# KiCad board gnss_card_rev1.kicad_pcb
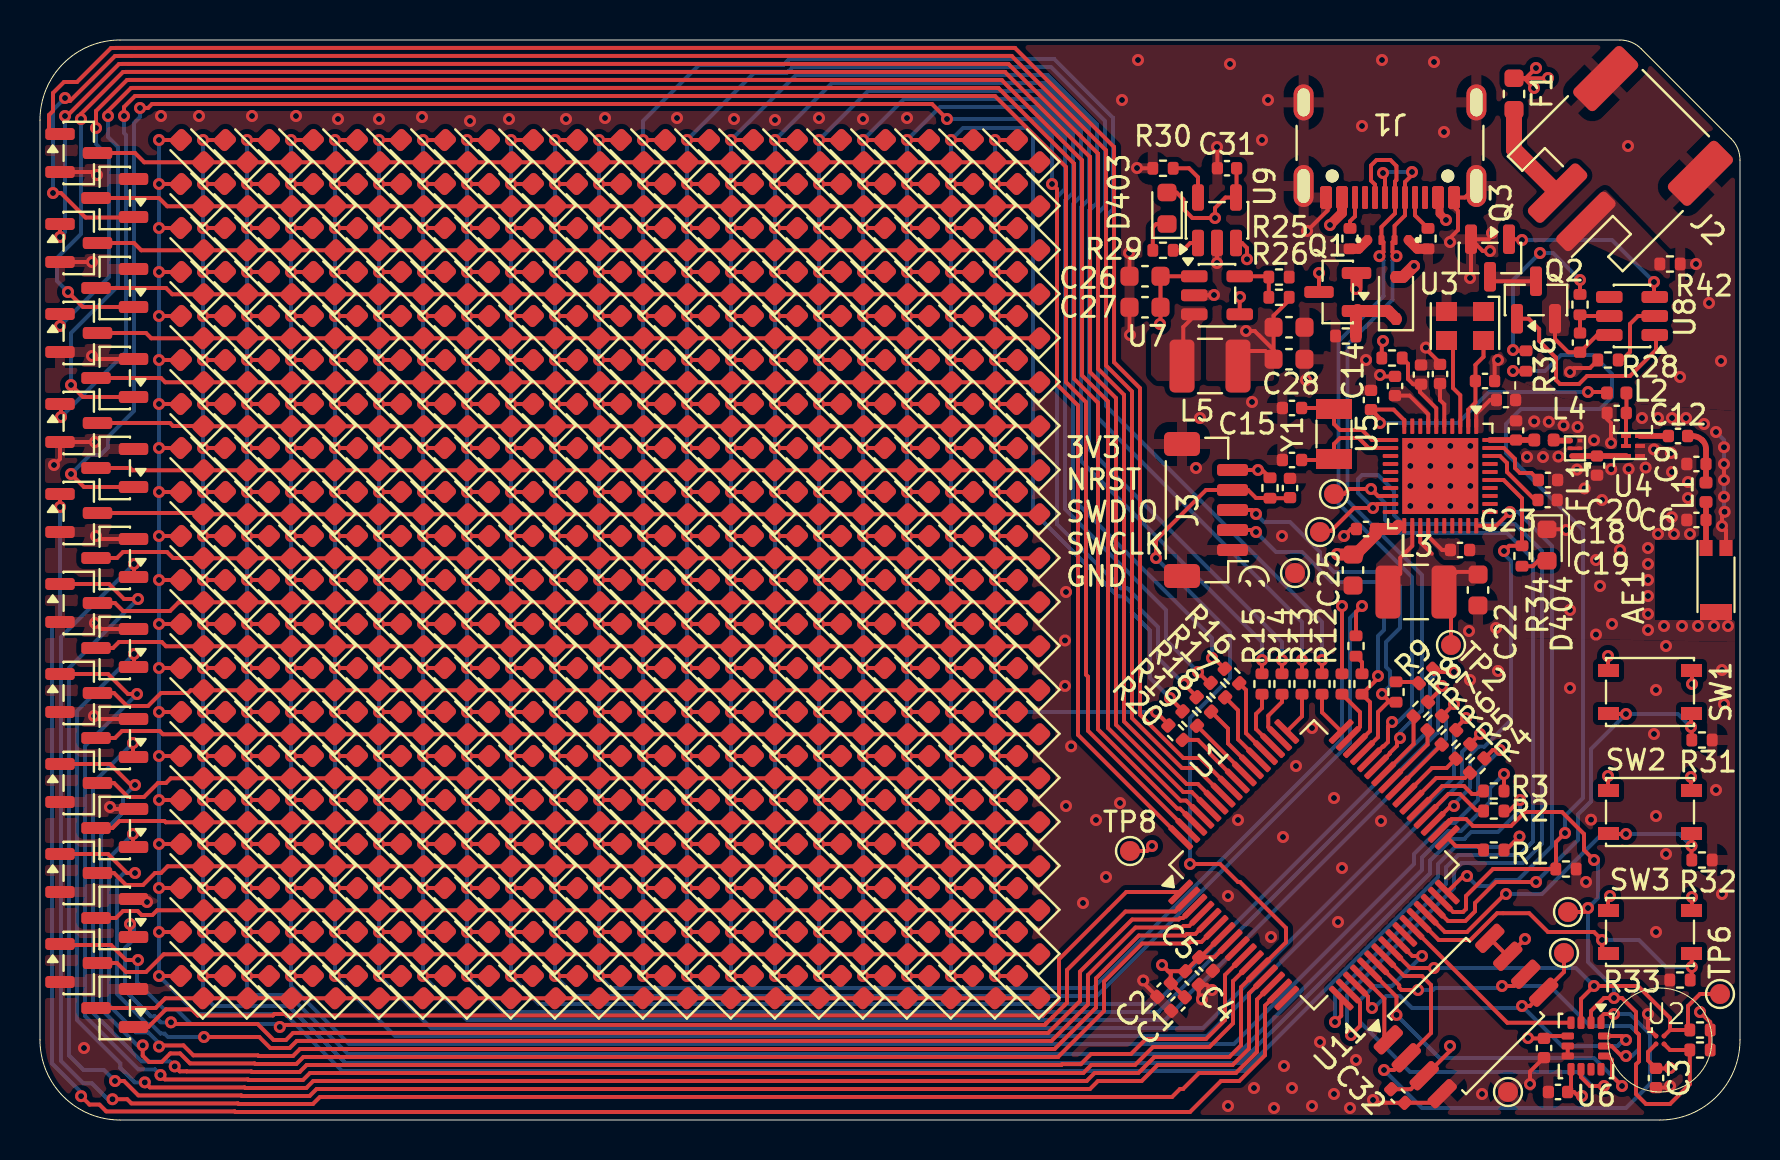
[diagram p0: board, top side]
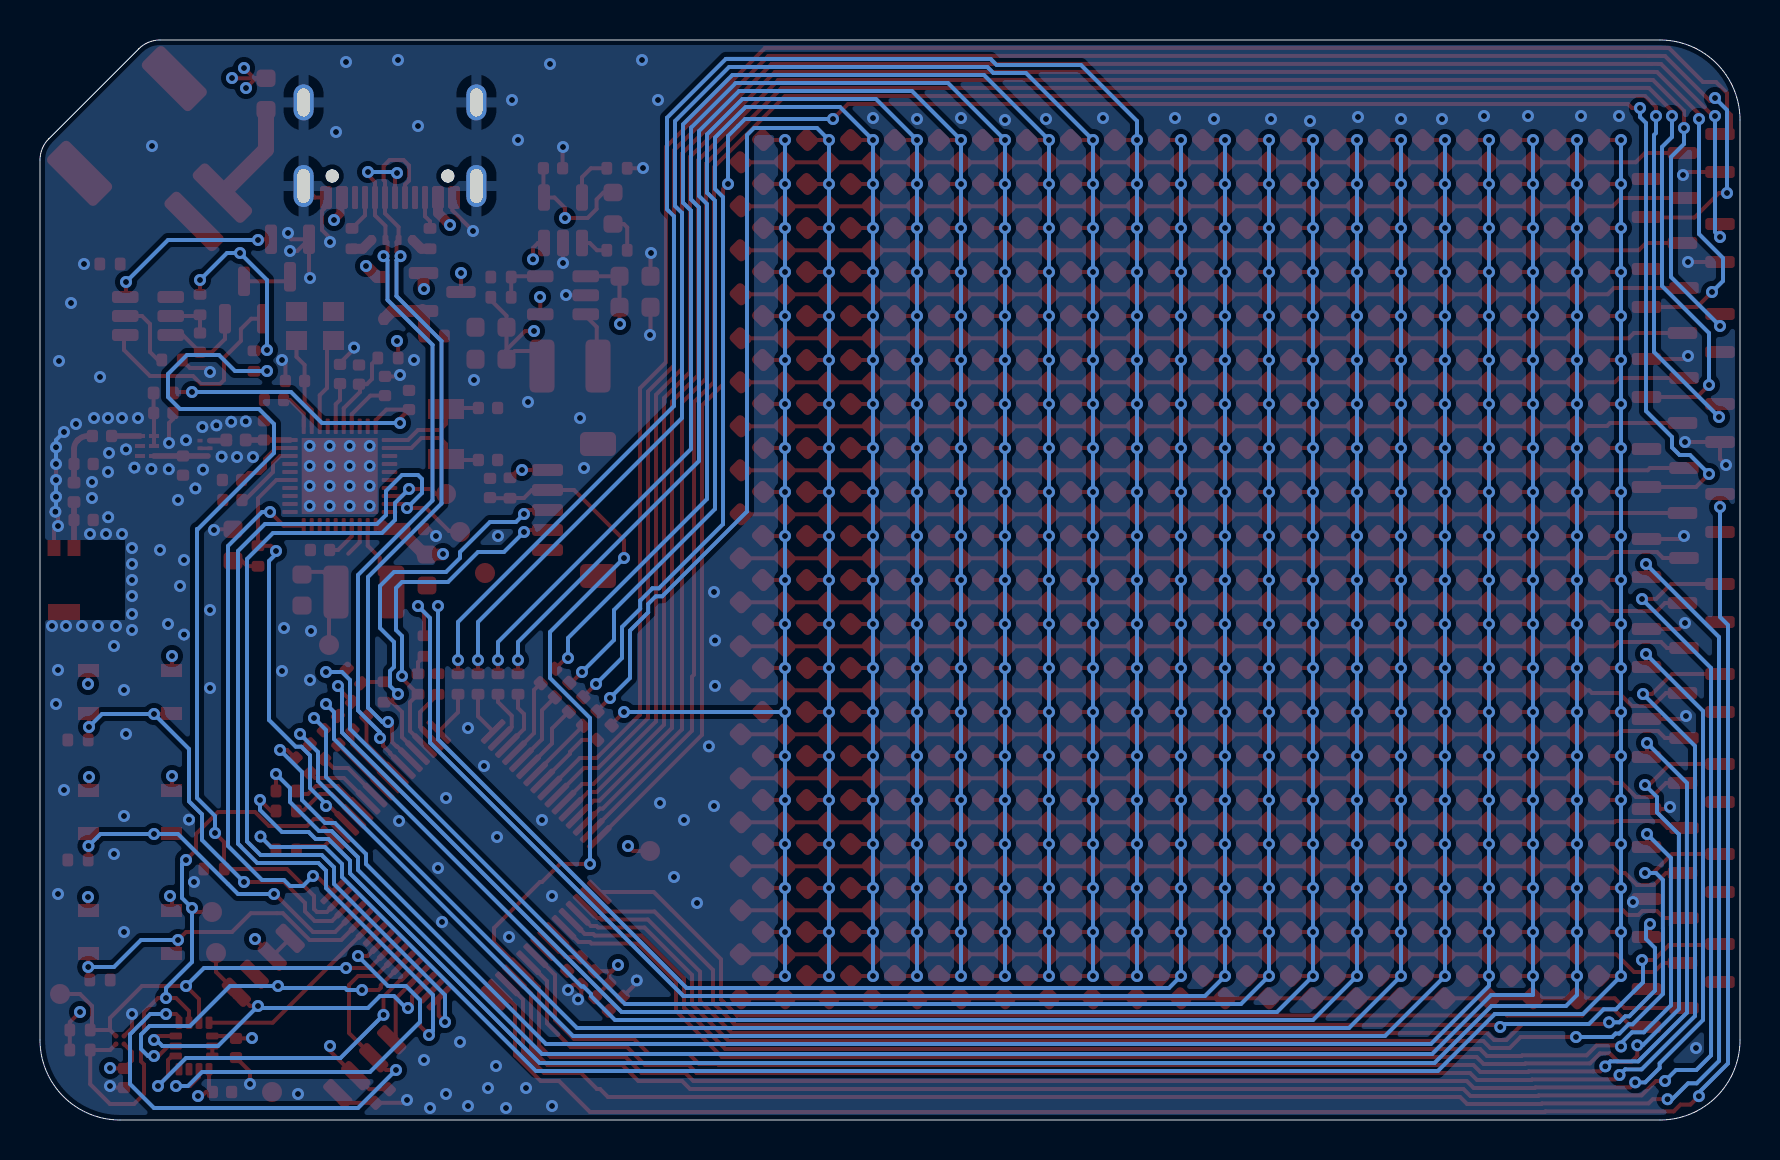
[diagram p1: board, bottom side, seen from below]

Outline 85 x 54 mm; copper layers: Top, In1.Cu, In2.Cu, Bottom. Coordinates in mm from the lower left corner of the outline.
Outline path: 0,50 arc(1.17,52.83) 4,54 79,54 arc(79.57,53.89) 80.06,53.56 84.56,49.06 arc(84.89,48.57) 85,48 85,4 arc(83.83,1.17) 81,0 4,0 arc(1.17,1.17) 0,4 0,50
Stack: Top 0.035mm / dielectric 0.1mm FR4 er 4.5 / In1.Cu 0.035mm / dielectric 1.24mm FR4 er 4.5 / In2.Cu 0.035mm / dielectric 0.1mm FR4 er 4.5 / Bottom 0.035mm

## Placement (name value [footprint] x y rotation side)
AE1  Antenna_Chip  [Pulse_W3011]  83.8 27 0 top
C1  4.7uF  [C_0402_1005Metric]  56.9 5.8 225 top
C2  4.7uF  [C_0402_1005Metric]  56.2 6.5 225 top
C3  100nF  [C_0402_1005Metric]  80.8 2.1 270 top
C4  100nF  [C_0402_1005Metric]  57.6 7.1 315 top
C5  100nF  [C_0402_1005Metric]  58.3 7.8 315 top
C6  C_Small  [C_0402_1005Metric]  82.82 30 0 top  (not fitted)
C7  1uF  [C_0402_1005Metric]  70 37.3 90 top
C8  100nF  [C_0402_1005Metric]  72.25 36.95 180 top
C9  C_Small  [C_0402_1005Metric]  82.82 32.8 0 top  (not fitted)
C10  1uF  [C_0402_1005Metric]  69.05 37.27 270 top
C11  1uF  [C_0402_1005Metric]  67.75 36.7 270 top
C12  22pF  [C_0402_1005Metric]  81.9 34.2 0 top
C13  1uF  [C_0402_1005Metric]  73.3 36 0 top
C14  100nF  [C_0402_1005Metric]  66.55 36 270 top
C15  22pF  [C_0402_1005Metric]  62.6 35.6 0 top
C16  100nF  [C_0402_1005Metric]  78.83 35.35 0 top
C17  22pF  [C_0402_1005Metric]  62.6 33 0 top
C18  1uF  [C_0402_1005Metric]  75.38 31 180 top
C19  1uF  [C_0402_1005Metric]  75.4 32 180 top
C20  C_Small  [C_0402_1005Metric]  77.85 32.72 90 top  (not fitted)
C21  1uF  [C_0402_1005Metric]  66.3 29.55 180 top
C22  10uF  [C_0603_1608Metric]  71.9 26.5 270 top
C23  1uF  [C_0402_1005Metric]  71 28.5 0 top
C24  C_Small  [C_0402_1005Metric]  73.8 34.48 270 top  (not fitted)
C25  10uF  [C_0603_1608Metric]  65.65 27.5 270 top
C26  100nF  [C_0603_1608Metric]  55.25 42.19 0 top
C27  100nF  [C_0603_1608Metric]  55.25 40.64 0 top
C28  100nF  [C_0603_1608Metric]  62.45 38.04 180 top
C29  100nF  [C_0603_1608Metric]  62.45 39.64 180 top
C30  100nF  [C_0402_1005Metric]  77 38.87 270 top
C31  100nF  [C_0402_1005Metric]  59.35 47.59 180 top
C32  100nF  [C_0402_1005Metric]  67.9 1.2 315 top
C33  100nF  [C_0402_1005Metric]  75.2 3.6 270 top
C34  100nF  [C_0402_1005Metric]  75.9 1.4 180 top
C35  100nF  [C_0402_1005Metric]  62.5 31.6 90 top
D1  LED_45deg  [LED_0603_1608Metric]  7.61 48.44 135 top
D2  LED_45deg  [LED_0603_1608Metric]  7.61 46.24 135 top
D3  LED_45deg  [LED_0603_1608Metric]  7.61 44.04 135 top
D4  LED_45deg  [LED_0603_1608Metric]  7.61 41.84 135 top
D5  LED_45deg  [LED_0603_1608Metric]  7.61 39.64 135 top
D6  LED_45deg  [LED_0603_1608Metric]  7.61 37.44 135 top
D7  LED_45deg  [LED_0603_1608Metric]  7.61 35.24 135 top
D8  LED_45deg  [LED_0603_1608Metric]  7.61 33.04 135 top
D9  LED_45deg  [LED_0603_1608Metric]  7.61 30.84 135 top
D10  LED_45deg  [LED_0603_1608Metric]  7.61 28.64 135 top
D11  LED_45deg  [LED_0603_1608Metric]  7.61 26.44 135 top
D12  LED_45deg  [LED_0603_1608Metric]  7.61 24.24 135 top
D13  LED_45deg  [LED_0603_1608Metric]  7.61 22.04 135 top
D14  LED_45deg  [LED_0603_1608Metric]  7.61 19.84 135 top
D15  LED_45deg  [LED_0603_1608Metric]  7.61 17.64 135 top
D16  LED_45deg  [LED_0603_1608Metric]  7.61 15.44 135 top
D17  LED_45deg  [LED_0603_1608Metric]  7.61 13.24 135 top
D18  LED_45deg  [LED_0603_1608Metric]  7.61 11.04 135 top
D19  LED_45deg  [LED_0603_1608Metric]  7.61 8.84 135 top
D20  LED_45deg  [LED_0603_1608Metric]  7.61 6.64 135 top
D21  LED_45deg  [LED_0603_1608Metric]  9.81 48.44 135 top
D22  LED_45deg  [LED_0603_1608Metric]  9.81 46.24 135 top
D23  LED_45deg  [LED_0603_1608Metric]  9.81 44.04 135 top
D24  LED_45deg  [LED_0603_1608Metric]  9.81 41.84 135 top
D25  LED_45deg  [LED_0603_1608Metric]  9.81 39.64 135 top
D26  LED_45deg  [LED_0603_1608Metric]  9.81 37.44 135 top
D27  LED_45deg  [LED_0603_1608Metric]  9.81 35.24 135 top
D28  LED_45deg  [LED_0603_1608Metric]  9.81 33.04 135 top
D29  LED_45deg  [LED_0603_1608Metric]  9.81 30.84 135 top
D30  LED_45deg  [LED_0603_1608Metric]  9.81 28.64 135 top
D31  LED_45deg  [LED_0603_1608Metric]  9.81 26.44 135 top
D32  LED_45deg  [LED_0603_1608Metric]  9.81 24.24 135 top
D33  LED_45deg  [LED_0603_1608Metric]  9.81 22.04 135 top
D34  LED_45deg  [LED_0603_1608Metric]  9.81 19.84 135 top
D35  LED_45deg  [LED_0603_1608Metric]  9.81 17.64 135 top
D36  LED_45deg  [LED_0603_1608Metric]  9.81 15.44 135 top
D37  LED_45deg  [LED_0603_1608Metric]  9.81 13.24 135 top
D38  LED_45deg  [LED_0603_1608Metric]  9.81 11.04 135 top
D39  LED_45deg  [LED_0603_1608Metric]  9.81 8.84 135 top
D40  LED_45deg  [LED_0603_1608Metric]  9.81 6.64 135 top
D41  LED_45deg  [LED_0603_1608Metric]  12.01 48.44 135 top
D42  LED_45deg  [LED_0603_1608Metric]  12.01 46.24 135 top
D43  LED_45deg  [LED_0603_1608Metric]  12.01 44.04 135 top
D44  LED_45deg  [LED_0603_1608Metric]  12.01 41.84 135 top
D45  LED_45deg  [LED_0603_1608Metric]  12.01 39.64 135 top
D46  LED_45deg  [LED_0603_1608Metric]  12.01 37.44 135 top
D47  LED_45deg  [LED_0603_1608Metric]  12.01 35.24 135 top
D48  LED_45deg  [LED_0603_1608Metric]  12.01 33.04 135 top
D49  LED_45deg  [LED_0603_1608Metric]  12.01 30.84 135 top
D50  LED_45deg  [LED_0603_1608Metric]  12.01 28.64 135 top
D51  LED_45deg  [LED_0603_1608Metric]  12.01 26.44 135 top
D52  LED_45deg  [LED_0603_1608Metric]  12.01 24.24 135 top
D53  LED_45deg  [LED_0603_1608Metric]  12.01 22.04 135 top
D54  LED_45deg  [LED_0603_1608Metric]  12.01 19.84 135 top
D55  LED_45deg  [LED_0603_1608Metric]  12.01 17.64 135 top
D56  LED_45deg  [LED_0603_1608Metric]  12.01 15.44 135 top
D57  LED_45deg  [LED_0603_1608Metric]  12.01 13.24 135 top
D58  LED_45deg  [LED_0603_1608Metric]  12.01 11.04 135 top
D59  LED_45deg  [LED_0603_1608Metric]  12.01 8.84 135 top
D60  LED_45deg  [LED_0603_1608Metric]  12.01 6.64 135 top
D61  LED_45deg  [LED_0603_1608Metric]  14.21 48.44 135 top
D62  LED_45deg  [LED_0603_1608Metric]  14.21 46.24 135 top
D63  LED_45deg  [LED_0603_1608Metric]  14.21 44.04 135 top
D64  LED_45deg  [LED_0603_1608Metric]  14.21 41.84 135 top
D65  LED_45deg  [LED_0603_1608Metric]  14.21 39.64 135 top
D66  LED_45deg  [LED_0603_1608Metric]  14.21 37.44 135 top
D67  LED_45deg  [LED_0603_1608Metric]  14.21 35.24 135 top
D68  LED_45deg  [LED_0603_1608Metric]  14.21 33.04 135 top
D69  LED_45deg  [LED_0603_1608Metric]  14.21 30.84 135 top
D70  LED_45deg  [LED_0603_1608Metric]  14.21 28.64 135 top
D71  LED_45deg  [LED_0603_1608Metric]  14.21 26.44 135 top
D72  LED_45deg  [LED_0603_1608Metric]  14.21 24.24 135 top
D73  LED_45deg  [LED_0603_1608Metric]  14.21 22.04 135 top
D74  LED_45deg  [LED_0603_1608Metric]  14.21 19.84 135 top
D75  LED_45deg  [LED_0603_1608Metric]  14.21 17.64 135 top
D76  LED_45deg  [LED_0603_1608Metric]  14.21 15.44 135 top
D77  LED_45deg  [LED_0603_1608Metric]  14.21 13.24 135 top
D78  LED_45deg  [LED_0603_1608Metric]  14.21 11.04 135 top
D79  LED_45deg  [LED_0603_1608Metric]  14.21 8.84 135 top
D80  LED_45deg  [LED_0603_1608Metric]  14.21 6.64 135 top
D81  LED_45deg  [LED_0603_1608Metric]  16.41 48.44 135 top
D82  LED_45deg  [LED_0603_1608Metric]  16.41 46.24 135 top
D83  LED_45deg  [LED_0603_1608Metric]  16.41 44.04 135 top
D84  LED_45deg  [LED_0603_1608Metric]  16.41 41.84 135 top
D85  LED_45deg  [LED_0603_1608Metric]  16.41 39.64 135 top
D86  LED_45deg  [LED_0603_1608Metric]  16.41 37.44 135 top
D87  LED_45deg  [LED_0603_1608Metric]  16.41 35.24 135 top
D88  LED_45deg  [LED_0603_1608Metric]  16.41 33.04 135 top
D89  LED_45deg  [LED_0603_1608Metric]  16.41 30.84 135 top
D90  LED_45deg  [LED_0603_1608Metric]  16.41 28.64 135 top
D91  LED_45deg  [LED_0603_1608Metric]  16.41 26.44 135 top
D92  LED_45deg  [LED_0603_1608Metric]  16.41 24.24 135 top
D93  LED_45deg  [LED_0603_1608Metric]  16.41 22.04 135 top
D94  LED_45deg  [LED_0603_1608Metric]  16.41 19.84 135 top
D95  LED_45deg  [LED_0603_1608Metric]  16.41 17.64 135 top
D96  LED_45deg  [LED_0603_1608Metric]  16.41 15.44 135 top
D97  LED_45deg  [LED_0603_1608Metric]  16.41 13.24 135 top
D98  LED_45deg  [LED_0603_1608Metric]  16.41 11.04 135 top
D99  LED_45deg  [LED_0603_1608Metric]  16.41 8.84 135 top
D100  LED_45deg  [LED_0603_1608Metric]  16.41 6.64 135 top
D101  LED_45deg  [LED_0603_1608Metric]  18.61 48.44 135 top
D102  LED_45deg  [LED_0603_1608Metric]  18.61 46.24 135 top
D103  LED_45deg  [LED_0603_1608Metric]  18.61 44.04 135 top
D104  LED_45deg  [LED_0603_1608Metric]  18.61 41.84 135 top
D105  LED_45deg  [LED_0603_1608Metric]  18.61 39.64 135 top
D106  LED_45deg  [LED_0603_1608Metric]  18.61 37.44 135 top
D107  LED_45deg  [LED_0603_1608Metric]  18.61 35.24 135 top
D108  LED_45deg  [LED_0603_1608Metric]  18.61 33.04 135 top
D109  LED_45deg  [LED_0603_1608Metric]  18.61 30.84 135 top
D110  LED_45deg  [LED_0603_1608Metric]  18.61 28.64 135 top
D111  LED_45deg  [LED_0603_1608Metric]  18.61 26.44 135 top
D112  LED_45deg  [LED_0603_1608Metric]  18.61 24.24 135 top
D113  LED_45deg  [LED_0603_1608Metric]  18.61 22.04 135 top
D114  LED_45deg  [LED_0603_1608Metric]  18.61 19.84 135 top
D115  LED_45deg  [LED_0603_1608Metric]  18.61 17.64 135 top
D116  LED_45deg  [LED_0603_1608Metric]  18.61 15.44 135 top
D117  LED_45deg  [LED_0603_1608Metric]  18.61 13.24 135 top
D118  LED_45deg  [LED_0603_1608Metric]  18.61 11.04 135 top
D119  LED_45deg  [LED_0603_1608Metric]  18.61 8.84 135 top
D120  LED_45deg  [LED_0603_1608Metric]  18.61 6.64 135 top
D121  LED_45deg  [LED_0603_1608Metric]  20.81 48.44 135 top
D122  LED_45deg  [LED_0603_1608Metric]  20.81 46.24 135 top
D123  LED_45deg  [LED_0603_1608Metric]  20.81 44.04 135 top
D124  LED_45deg  [LED_0603_1608Metric]  20.81 41.84 135 top
D125  LED_45deg  [LED_0603_1608Metric]  20.81 39.64 135 top
D126  LED_45deg  [LED_0603_1608Metric]  20.81 37.44 135 top
D127  LED_45deg  [LED_0603_1608Metric]  20.81 35.24 135 top
D128  LED_45deg  [LED_0603_1608Metric]  20.81 33.04 135 top
D129  LED_45deg  [LED_0603_1608Metric]  20.81 30.84 135 top
D130  LED_45deg  [LED_0603_1608Metric]  20.81 28.64 135 top
D131  LED_45deg  [LED_0603_1608Metric]  20.81 26.44 135 top
D132  LED_45deg  [LED_0603_1608Metric]  20.81 24.24 135 top
D133  LED_45deg  [LED_0603_1608Metric]  20.81 22.04 135 top
D134  LED_45deg  [LED_0603_1608Metric]  20.81 19.84 135 top
D135  LED_45deg  [LED_0603_1608Metric]  20.81 17.64 135 top
D136  LED_45deg  [LED_0603_1608Metric]  20.81 15.44 135 top
D137  LED_45deg  [LED_0603_1608Metric]  20.81 13.24 135 top
D138  LED_45deg  [LED_0603_1608Metric]  20.81 11.04 135 top
D139  LED_45deg  [LED_0603_1608Metric]  20.81 8.84 135 top
D140  LED_45deg  [LED_0603_1608Metric]  20.81 6.64 135 top
D141  LED_45deg  [LED_0603_1608Metric]  23.01 48.44 135 top
D142  LED_45deg  [LED_0603_1608Metric]  23.01 46.24 135 top
D143  LED_45deg  [LED_0603_1608Metric]  23.01 44.04 135 top
D144  LED_45deg  [LED_0603_1608Metric]  23.01 41.84 135 top
D145  LED_45deg  [LED_0603_1608Metric]  23.01 39.64 135 top
D146  LED_45deg  [LED_0603_1608Metric]  23.01 37.44 135 top
D147  LED_45deg  [LED_0603_1608Metric]  23.01 35.24 135 top
D148  LED_45deg  [LED_0603_1608Metric]  23.01 33.04 135 top
D149  LED_45deg  [LED_0603_1608Metric]  23.01 30.84 135 top
D150  LED_45deg  [LED_0603_1608Metric]  23.01 28.64 135 top
D151  LED_45deg  [LED_0603_1608Metric]  23.01 26.44 135 top
D152  LED_45deg  [LED_0603_1608Metric]  23.01 24.24 135 top
D153  LED_45deg  [LED_0603_1608Metric]  23.01 22.04 135 top
D154  LED_45deg  [LED_0603_1608Metric]  23.01 19.84 135 top
D155  LED_45deg  [LED_0603_1608Metric]  23.01 17.64 135 top
D156  LED_45deg  [LED_0603_1608Metric]  23.01 15.44 135 top
D157  LED_45deg  [LED_0603_1608Metric]  23.01 13.24 135 top
D158  LED_45deg  [LED_0603_1608Metric]  23.01 11.04 135 top
D159  LED_45deg  [LED_0603_1608Metric]  23.01 8.84 135 top
D160  LED_45deg  [LED_0603_1608Metric]  23.01 6.64 135 top
D161  LED_45deg  [LED_0603_1608Metric]  25.21 48.44 135 top
D162  LED_45deg  [LED_0603_1608Metric]  25.21 46.24 135 top
D163  LED_45deg  [LED_0603_1608Metric]  25.21 44.04 135 top
D164  LED_45deg  [LED_0603_1608Metric]  25.21 41.84 135 top
D165  LED_45deg  [LED_0603_1608Metric]  25.21 39.64 135 top
D166  LED_45deg  [LED_0603_1608Metric]  25.21 37.44 135 top
D167  LED_45deg  [LED_0603_1608Metric]  25.21 35.24 135 top
D168  LED_45deg  [LED_0603_1608Metric]  25.21 33.04 135 top
D169  LED_45deg  [LED_0603_1608Metric]  25.21 30.84 135 top
D170  LED_45deg  [LED_0603_1608Metric]  25.21 28.64 135 top
D171  LED_45deg  [LED_0603_1608Metric]  25.21 26.44 135 top
D172  LED_45deg  [LED_0603_1608Metric]  25.21 24.24 135 top
D173  LED_45deg  [LED_0603_1608Metric]  25.21 22.04 135 top
D174  LED_45deg  [LED_0603_1608Metric]  25.21 19.84 135 top
D175  LED_45deg  [LED_0603_1608Metric]  25.21 17.64 135 top
D176  LED_45deg  [LED_0603_1608Metric]  25.21 15.44 135 top
D177  LED_45deg  [LED_0603_1608Metric]  25.21 13.24 135 top
D178  LED_45deg  [LED_0603_1608Metric]  25.21 11.04 135 top
D179  LED_45deg  [LED_0603_1608Metric]  25.21 8.84 135 top
D180  LED_45deg  [LED_0603_1608Metric]  25.21 6.64 135 top
D181  LED_45deg  [LED_0603_1608Metric]  27.41 48.44 135 top
D182  LED_45deg  [LED_0603_1608Metric]  27.41 46.24 135 top
D183  LED_45deg  [LED_0603_1608Metric]  27.41 44.04 135 top
D184  LED_45deg  [LED_0603_1608Metric]  27.41 41.84 135 top
D185  LED_45deg  [LED_0603_1608Metric]  27.41 39.64 135 top
D186  LED_45deg  [LED_0603_1608Metric]  27.41 37.44 135 top
D187  LED_45deg  [LED_0603_1608Metric]  27.41 35.24 135 top
D188  LED_45deg  [LED_0603_1608Metric]  27.41 33.04 135 top
D189  LED_45deg  [LED_0603_1608Metric]  27.41 30.84 135 top
D190  LED_45deg  [LED_0603_1608Metric]  27.41 28.64 135 top
D191  LED_45deg  [LED_0603_1608Metric]  27.41 26.44 135 top
D192  LED_45deg  [LED_0603_1608Metric]  27.41 24.24 135 top
D193  LED_45deg  [LED_0603_1608Metric]  27.41 22.04 135 top
D194  LED_45deg  [LED_0603_1608Metric]  27.41 19.84 135 top
D195  LED_45deg  [LED_0603_1608Metric]  27.41 17.64 135 top
D196  LED_45deg  [LED_0603_1608Metric]  27.41 15.44 135 top
D197  LED_45deg  [LED_0603_1608Metric]  27.41 13.24 135 top
D198  LED_45deg  [LED_0603_1608Metric]  27.41 11.04 135 top
D199  LED_45deg  [LED_0603_1608Metric]  27.41 8.84 135 top
D200  LED_45deg  [LED_0603_1608Metric]  27.41 6.64 135 top
D201  LED_45deg  [LED_0603_1608Metric]  29.61 48.44 135 top
D202  LED_45deg  [LED_0603_1608Metric]  29.61 46.24 135 top
D203  LED_45deg  [LED_0603_1608Metric]  29.61 44.04 135 top
D204  LED_45deg  [LED_0603_1608Metric]  29.61 41.84 135 top
D205  LED_45deg  [LED_0603_1608Metric]  29.61 39.64 135 top
D206  LED_45deg  [LED_0603_1608Metric]  29.61 37.44 135 top
D207  LED_45deg  [LED_0603_1608Metric]  29.61 35.24 135 top
D208  LED_45deg  [LED_0603_1608Metric]  29.61 33.04 135 top
D209  LED_45deg  [LED_0603_1608Metric]  29.61 30.84 135 top
D210  LED_45deg  [LED_0603_1608Metric]  29.61 28.64 135 top
D211  LED_45deg  [LED_0603_1608Metric]  29.61 26.44 135 top
D212  LED_45deg  [LED_0603_1608Metric]  29.61 24.24 135 top
D213  LED_45deg  [LED_0603_1608Metric]  29.61 22.04 135 top
D214  LED_45deg  [LED_0603_1608Metric]  29.61 19.84 135 top
D215  LED_45deg  [LED_0603_1608Metric]  29.61 17.64 135 top
D216  LED_45deg  [LED_0603_1608Metric]  29.61 15.44 135 top
D217  LED_45deg  [LED_0603_1608Metric]  29.61 13.24 135 top
D218  LED_45deg  [LED_0603_1608Metric]  29.61 11.04 135 top
D219  LED_45deg  [LED_0603_1608Metric]  29.61 8.84 135 top
D220  LED_45deg  [LED_0603_1608Metric]  29.61 6.64 135 top
D221  LED_45deg  [LED_0603_1608Metric]  31.81 48.44 135 top
D222  LED_45deg  [LED_0603_1608Metric]  31.81 46.24 135 top
D223  LED_45deg  [LED_0603_1608Metric]  31.81 44.04 135 top
D224  LED_45deg  [LED_0603_1608Metric]  31.81 41.84 135 top
D225  LED_45deg  [LED_0603_1608Metric]  31.81 39.64 135 top
D226  LED_45deg  [LED_0603_1608Metric]  31.81 37.44 135 top
D227  LED_45deg  [LED_0603_1608Metric]  31.81 35.24 135 top
D228  LED_45deg  [LED_0603_1608Metric]  31.81 33.04 135 top
D229  LED_45deg  [LED_0603_1608Metric]  31.81 30.84 135 top
D230  LED_45deg  [LED_0603_1608Metric]  31.81 28.64 135 top
D231  LED_45deg  [LED_0603_1608Metric]  31.81 26.44 135 top
D232  LED_45deg  [LED_0603_1608Metric]  31.81 24.24 135 top
D233  LED_45deg  [LED_0603_1608Metric]  31.81 22.04 135 top
D234  LED_45deg  [LED_0603_1608Metric]  31.81 19.84 135 top
D235  LED_45deg  [LED_0603_1608Metric]  31.81 17.64 135 top
D236  LED_45deg  [LED_0603_1608Metric]  31.81 15.44 135 top
D237  LED_45deg  [LED_0603_1608Metric]  31.81 13.24 135 top
D238  LED_45deg  [LED_0603_1608Metric]  31.81 11.04 135 top
D239  LED_45deg  [LED_0603_1608Metric]  31.81 8.84 135 top
D240  LED_45deg  [LED_0603_1608Metric]  31.81 6.64 135 top
D241  LED_45deg  [LED_0603_1608Metric]  34.01 48.44 135 top
D242  LED_45deg  [LED_0603_1608Metric]  34.01 46.24 135 top
D243  LED_45deg  [LED_0603_1608Metric]  34.01 44.04 135 top
D244  LED_45deg  [LED_0603_1608Metric]  34.01 41.84 135 top
D245  LED_45deg  [LED_0603_1608Metric]  34.01 39.64 135 top
D246  LED_45deg  [LED_0603_1608Metric]  34.01 37.44 135 top
D247  LED_45deg  [LED_0603_1608Metric]  34.01 35.24 135 top
D248  LED_45deg  [LED_0603_1608Metric]  34.01 33.04 135 top
D249  LED_45deg  [LED_0603_1608Metric]  34.01 30.84 135 top
D250  LED_45deg  [LED_0603_1608Metric]  34.01 28.64 135 top
D251  LED_45deg  [LED_0603_1608Metric]  34.01 26.44 135 top
D252  LED_45deg  [LED_0603_1608Metric]  34.01 24.24 135 top
D253  LED_45deg  [LED_0603_1608Metric]  34.01 22.04 135 top
D254  LED_45deg  [LED_0603_1608Metric]  34.01 19.84 135 top
D255  LED_45deg  [LED_0603_1608Metric]  34.01 17.64 135 top
D256  LED_45deg  [LED_0603_1608Metric]  34.01 15.44 135 top
D257  LED_45deg  [LED_0603_1608Metric]  34.01 13.24 135 top
D258  LED_45deg  [LED_0603_1608Metric]  34.01 11.04 135 top
D259  LED_45deg  [LED_0603_1608Metric]  34.01 8.84 135 top
D260  LED_45deg  [LED_0603_1608Metric]  34.01 6.64 135 top
D261  LED_45deg  [LED_0603_1608Metric]  36.21 48.44 135 top
D262  LED_45deg  [LED_0603_1608Metric]  36.21 46.24 135 top
D263  LED_45deg  [LED_0603_1608Metric]  36.21 44.04 135 top
D264  LED_45deg  [LED_0603_1608Metric]  36.21 41.84 135 top
D265  LED_45deg  [LED_0603_1608Metric]  36.21 39.64 135 top
D266  LED_45deg  [LED_0603_1608Metric]  36.21 37.44 135 top
D267  LED_45deg  [LED_0603_1608Metric]  36.21 35.24 135 top
D268  LED_45deg  [LED_0603_1608Metric]  36.21 33.04 135 top
D269  LED_45deg  [LED_0603_1608Metric]  36.21 30.84 135 top
D270  LED_45deg  [LED_0603_1608Metric]  36.21 28.64 135 top
D271  LED_45deg  [LED_0603_1608Metric]  36.21 26.44 135 top
D272  LED_45deg  [LED_0603_1608Metric]  36.21 24.24 135 top
D273  LED_45deg  [LED_0603_1608Metric]  36.21 22.04 135 top
D274  LED_45deg  [LED_0603_1608Metric]  36.21 19.84 135 top
D275  LED_45deg  [LED_0603_1608Metric]  36.21 17.64 135 top
D276  LED_45deg  [LED_0603_1608Metric]  36.21 15.44 135 top
D277  LED_45deg  [LED_0603_1608Metric]  36.21 13.24 135 top
D278  LED_45deg  [LED_0603_1608Metric]  36.21 11.04 135 top
D279  LED_45deg  [LED_0603_1608Metric]  36.21 8.84 135 top
D280  LED_45deg  [LED_0603_1608Metric]  36.21 6.64 135 top
D281  LED_45deg  [LED_0603_1608Metric]  38.41 48.44 135 top
D282  LED_45deg  [LED_0603_1608Metric]  38.41 46.24 135 top
D283  LED_45deg  [LED_0603_1608Metric]  38.41 44.04 135 top
D284  LED_45deg  [LED_0603_1608Metric]  38.41 41.84 135 top
D285  LED_45deg  [LED_0603_1608Metric]  38.41 39.64 135 top
D286  LED_45deg  [LED_0603_1608Metric]  38.41 37.44 135 top
D287  LED_45deg  [LED_0603_1608Metric]  38.41 35.24 135 top
D288  LED_45deg  [LED_0603_1608Metric]  38.41 33.04 135 top
D289  LED_45deg  [LED_0603_1608Metric]  38.41 30.84 135 top
D290  LED_45deg  [LED_0603_1608Metric]  38.41 28.64 135 top
D291  LED_45deg  [LED_0603_1608Metric]  38.41 26.44 135 top
D292  LED_45deg  [LED_0603_1608Metric]  38.41 24.24 135 top
D293  LED_45deg  [LED_0603_1608Metric]  38.41 22.04 135 top
D294  LED_45deg  [LED_0603_1608Metric]  38.41 19.84 135 top
D295  LED_45deg  [LED_0603_1608Metric]  38.41 17.64 135 top
D296  LED_45deg  [LED_0603_1608Metric]  38.41 15.44 135 top
D297  LED_45deg  [LED_0603_1608Metric]  38.41 13.24 135 top
D298  LED_45deg  [LED_0603_1608Metric]  38.41 11.04 135 top
D299  LED_45deg  [LED_0603_1608Metric]  38.41 8.84 135 top
D300  LED_45deg  [LED_0603_1608Metric]  38.41 6.64 135 top
D301  LED_45deg  [LED_0603_1608Metric]  40.61 48.44 135 top
D302  LED_45deg  [LED_0603_1608Metric]  40.61 46.24 135 top
D303  LED_45deg  [LED_0603_1608Metric]  40.61 44.04 135 top
D304  LED_45deg  [LED_0603_1608Metric]  40.61 41.84 135 top
D305  LED_45deg  [LED_0603_1608Metric]  40.61 39.64 135 top
D306  LED_45deg  [LED_0603_1608Metric]  40.61 37.44 135 top
D307  LED_45deg  [LED_0603_1608Metric]  40.61 35.24 135 top
D308  LED_45deg  [LED_0603_1608Metric]  40.61 33.04 135 top
D309  LED_45deg  [LED_0603_1608Metric]  40.61 30.84 135 top
D310  LED_45deg  [LED_0603_1608Metric]  40.61 28.64 135 top
D311  LED_45deg  [LED_0603_1608Metric]  40.61 26.44 135 top
D312  LED_45deg  [LED_0603_1608Metric]  40.61 24.24 135 top